# Allegro board 8880F5-0825_4.brd (continued)
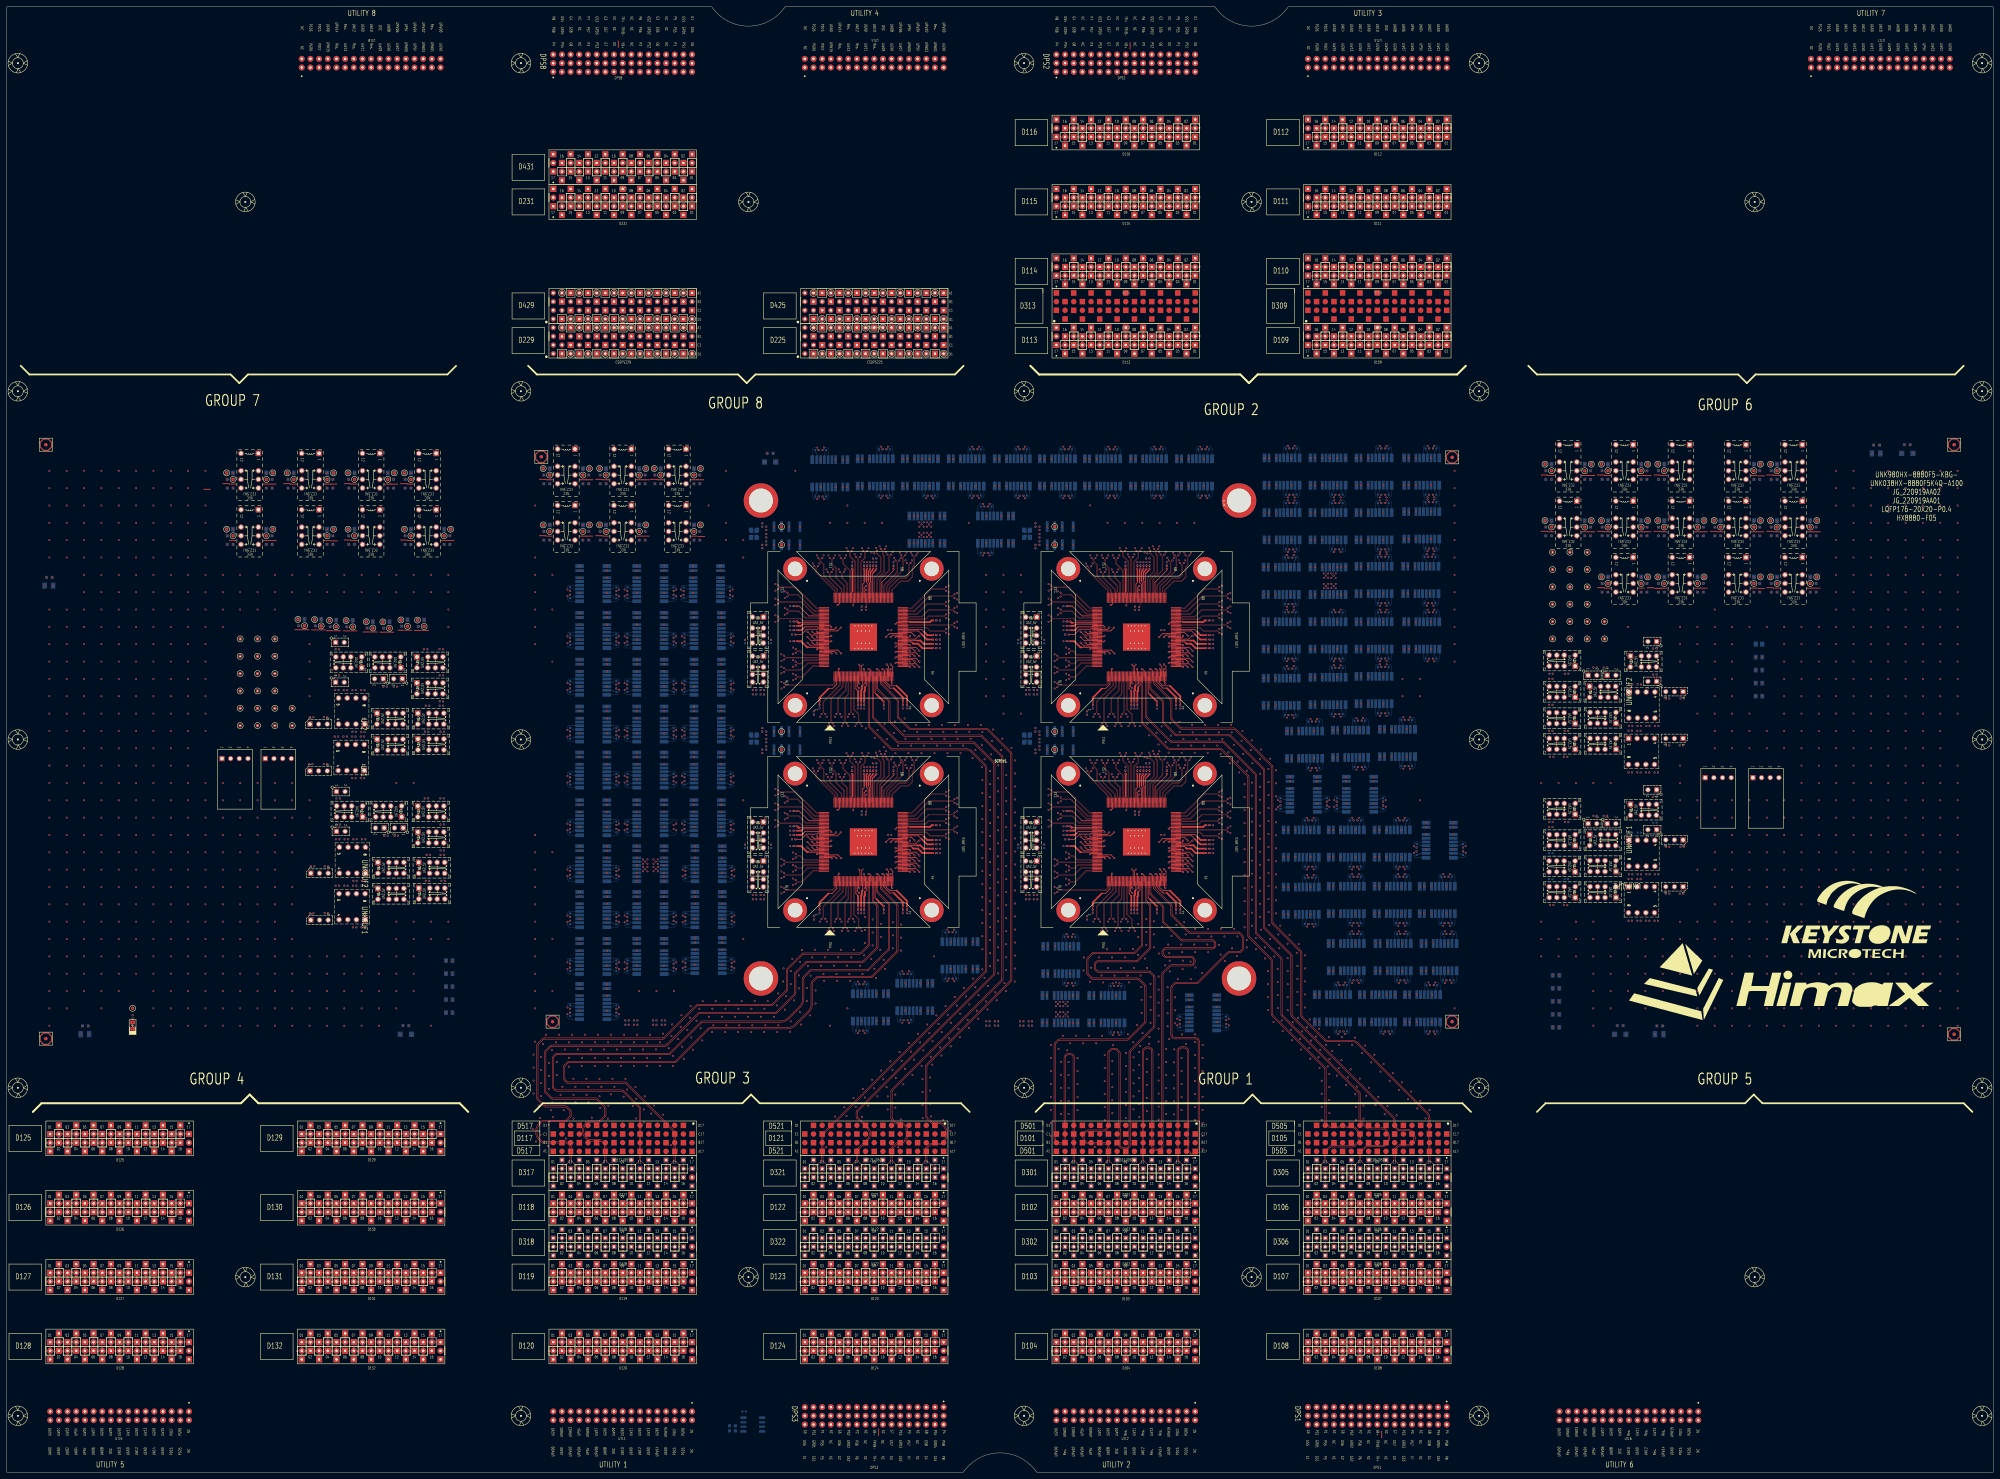
[diagram p0: board, top side]
## Routing (per net, layer and track width the routed paths; a pad name or vN(x,y) marks a point on that pad's centre or on a via; arc(x,y) is an arc through that point) (continued)
  TOP w0.119: SITE1.118 v1(247.83,253.92)
S1_PS9G_DCH030: length 9.2
  TOP w0.231: SITE1.148 237.62,247.23 237.3,246.91 234.16,246.91 232.63,245.39 v1(230.91,245.39)
S1_PS9G_DCH035: length 5.3
  TOP w0.231: v1(234.44,246.23) 235.44,245.23 SITE1.153
S1_PS9G_DCH036: length 2.2
  TOP w0.231: SITE1.154 241.23,244.83 v1(241.43,245.03)
S1_PS9G_DCH037: length 2.2
  TOP w0.231: v1(237.23,244.63) 237.43,244.43 SITE1.155
S1_PS9G_DCH038: length 3.7
  TOP w0.231: SITE1.156 236.43,244.03 v1(235.83,244.63)
S1_PS9G_DCH039: length 5.3
  TOP w0.231: v1(234.44,244.63) 235.44,243.63 SITE1.157
S1_PS9G_DCH040: length 2.2
  TOP w0.231: SITE1.158 241.23,243.23 v1(241.43,243.43)
S1_RLY_001:
  vias: v1(167.7,222.95) v1(201.23,236.67)
S1_RLY_003:
  vias: v1(290.64,288.86) v1(303.84,288.86)
S1_RLY_005:
  vias: v1(330.51,288.86) v1(343.98,288.86)
S1_RLY_007:
  vias: v1(317.05,288.86)
S1_RLY_008:
  vias: v1(263.71,288.86) v1(293.31,280.1)
S1_RLY_016:
  vias: v1(244.8,296.61) v1(250.5,288.86)
S1_RLY_018:
  vias: v1(232.25,276.97)
S1_RLY_021:
  vias: v1(167.7,264.1) v1(277.17,288.86)
S1_RLY_022:
  vias: v1(167.7,236.67) v1(201.23,250.38)
S1_RLY_023:
  vias: v1(184.47,236.67)
S1_RLY_025:
  vias: v1(167.7,250.38) v1(200.98,264.1)
S1_RLY_026:
  vias: v1(184.47,250.38)
S1_RLY_030:
  vias: v1(184.47,264.1)
S1_RLY_043:
  vias: v1(273.24,280.1)
S1_SCAN_DCH008: length 2.2
  TOP w0.231: v1(260.23,237.03) 260.43,237.23 SITE1.48
S1_SCAN_DCH012: length 2.2
  TOP w0.231: SITE1.52 260.43,238.83 v1(260.23,238.63)
S1_SCAN_DCH013: length 2.2
  TOP w0.231: SITE1.53 264.23,239.23 v1(264.43,239.03)
S1_SCAN_DCH016: length 2.2
  TOP w0.231: SITE1.56 260.43,240.43 v1(260.23,240.23)
S1_SCAN_DCH017: length 2.2
  TOP w0.231: v1(264.43,240.63) 264.23,240.83 SITE1.57
S1_SCAN_DCH018: length 3.7
  TOP w0.231: SITE1.58 265.23,241.23 v1(265.83,240.63)
S1_SCAN_DCH019: length 5.3
  TOP w0.231: v1(267.23,240.63) 266.22,241.63 SITE1.59
S1_SCAN_DCH020: length 2.2
  TOP w0.231: SITE1.60 260.43,242.03 v1(260.23,241.83)
S1_SCAN_DCH021: length 2.2
  TOP w0.231: v1(264.43,242.23) 264.23,242.43 SITE1.61
S1_SCAN_DCH024: length 2.2
  TOP w0.231: SITE1.67 260.43,244.83 v1(260.23,244.63)
S1_SCAN_DCH025: length 3.7
  TOP w0.231: v1(258.83,244.63) 259.43,245.23 SITE1.68
S1_SCAN_DCH026: length 5.3
  TOP w0.231: SITE1.69 258.44,245.63 v1(257.44,244.63)
S1_SCAN_DCH031: length 3.7
  TOP w0.231: v1(242.83,247.43) 242.23,246.83 SITE1.149
S1_SCAN_DCH032: length 5.3
  TOP w0.231: SITE1.150 243.22,246.43 v1(244.22,247.43)
S1_SCAN_DCH033: length 2.2
  TOP w0.231: SITE1.151 237.43,246.03 v1(237.23,246.23)
S1_SCAN_DCH034: length 3.7
  TOP w0.231: v1(235.83,246.23) 236.43,245.63 SITE1.152
S1_SPI_1_CSN:
  vias: v1(104.64,203.31)
S1_SPI_1_SCK:
  vias: v1(99.56,215.5)
S1_SPI_1_SDI:
  vias: v1(123.44,216.92)
S1_SPI_1_SDO:
  vias: v1(123.69,224.54)
S1_SPI_2_CSN:
  vias: v1(103.75,216.86)
S1_SPI_2_SCK:
  vias: v1(99.66,229.1)
S1_SPI_2_SDI:
  vias: v1(128.01,216.92)
S1_SPI_2_SDO:
  vias: v1(127.75,224.54)
S1_SPI_11_SDI:
  vias: v1(102.1,203.31) v1(122.44,216.92)
S1_SPI_11_SDO:
  vias: v1(97.02,215.5) v1(122.69,224.54)
S1_SPI_22_SDI:
  vias: v1(102.2,216.91) v1(127.01,216.92)
S1_SPI_22_SDO:
  vias: v1(97.12,229.1) v1(126.75,224.54)
S1_SPI_CSN: length 2.2
  TOP w0.231: SITE1.43 259.03,231.23 v1(259.23,231.03)
S1_SPI_SCK: length 2.2
  TOP w0.231: SITE1.42 258.63,235.03 v1(258.83,235.23)
S1_SPI_SDI: length 3.7
  TOP w0.231: v1(258.83,236.63) 259.43,236.03 SITE1.44
S1_SPI_SDO: length 3.7
  TOP w0.231: v1(257.63,236.63) 258.23,236.03 SITE1.41
S1_XTAL_IN: length 2.5
  TOP w0.119: SITE1.109 251.43,258.31 v1(251.63,258.51)
  vias: v1(226.85,271.67)
S1_XTAL_OUT: length 3.7
  TOP w0.231: SITE1.110 251.03,259.03 v1(251.63,259.63)
  vias: v1(226.85,276.97)
S2_1AUX+:
  vias: v1(301.73,229.11)
S2_1AUX-:
  vias: v1(298.45,229.11)
S2_1TX_100DCH001+: length 2.5
  BOTTOM w0.119: v1(388.49,259.59) UNK2K43.6
  vias: v1(416.45,299.91)
S2_1TX_100DCH001-: length 2.5
  BOTTOM w0.119: v1(388.49,262.63) UNK2K43.3
  vias: v1(417.6,299.91)
S2_1TX_100DCH002+: length 15.4
  TOP w0.086: SITE2.75 343.98,248.03 344.06,248.11 357.07,248.11 v1(357.52,247.66)
  vias: v1(416.45,286.32)
S2_1TX_100DCH002-: length 15.4
  TOP w0.086: SITE2.76 343.98,248.43 344.06,248.35 357.07,248.35 v1(357.52,248.8)
  vias: v1(417.6,286.32)
S2_1TX_100DCH003+: length 13.3
  TOP w0.086: v1(355.08,250.14) 354.62,250.59 349.94,250.59 349.05,249.71 344.06,249.71 343.98,249.63 SITE2.79
  vias: v1(416.45,284.16)
S2_1TX_100DCH003-: length 13.3
  TOP w0.086: SITE2.80 343.98,250.03 344.06,249.95 348.95,249.95 349.84,250.83 354.62,250.83 v1(355.08,251.28)
  vias: v1(417.6,284.16)
S2_1TX_100DCH004+: length 16.2
  TOP w0.086: SITE2.81 343.98,250.43 344.06,250.51 347.99,250.51 350.02,252.53 357.07,252.53 v1(357.52,252.08)
  vias: v1(416.45,270.57)
S2_1TX_100DCH004-: length 16.2
  TOP w0.086: SITE2.82 343.98,250.83 344.06,250.75 347.89,250.75 349.92,252.77 357.07,252.77 v1(357.52,253.22)
  vias: v1(417.6,270.57)
S2_1TX_100DCH005+: length 14.2
  TOP w0.086: v1(355.08,253.77) 354.62,254.22 349.53,254.22 346.61,251.31 344.06,251.31 343.98,251.23 SITE2.83
  vias: v1(402.48,251.9)
S2_1TX_100DCH005-: length 14.2
  TOP w0.086: SITE2.84 343.98,251.63 344.06,251.55 346.51,251.55 349.43,254.46 354.62,254.46 v1(355.08,254.92)
  vias: v1(403.63,251.9)
S2_1TX_100DCH006+: length 17.2
  TOP w0.086: SITE2.85 343.98,252.03 344.06,252.11 345.74,252.11 350.12,256.49 357.07,256.49 v1(357.52,256.03)
  vias: v1(402.48,238.32)
S2_1TX_100DCH006-: length 17.2
  TOP w0.086: SITE2.86 343.98,252.43 344.06,252.35 345.64,252.35 350.02,256.73 357.07,256.73 v1(357.52,257.18)
  vias: v1(403.63,238.32)
S2_1TX_100DCH007+: length 15.3
  TOP w0.086: v1(355.08,258.17) 354.62,258.62 350.67,258.62 344.96,252.91 344.06,252.91 343.98,252.83 SITE2.87
  vias: v1(375.56,283.91)
S2_1TX_100DCH007-: length 15.3
  TOP w0.086: v1(355.08,259.31) 354.62,258.86 350.57,258.86 344.86,253.15 344.06,253.15 343.98,253.23 SITE2.88
  vias: v1(376.7,283.91)
S2_2AUX+:
  vias: v1(290.31,132.08) v1(290.31,130.81) v1(300.73,229.11) v1(300.73,227.84)
S2_2AUX-:
  vias: v1(286.77,130.81) v1(287.77,132.08) v1(299.45,229.11) v1(299.45,227.84)
S2_2TX_100DCH001+: length 16.7
  TOP w0.086: v1(346.32,268.6) 345.87,268.15 345.87,265.63 345.31,265.07 345.31,262.18 343.95,260.83 341.74,260.83 339.35,258.44 339.35,257.86 339.43,257.78 SITE2.89
  vias: v1(375.56,270.32)
S2_2TX_100DCH001-: length 16.7
  TOP w0.086: SITE2.90 339.03,257.78 339.11,257.86 339.11,258.53 341.64,261.07 343.85,261.07 345.07,262.28 345.07,265.17 345.63,265.73 345.63,268.15 v1(345.18,268.6)
  vias: v1(376.7,270.32)
S2_2TX_100DCH002+: length 13.9
  TOP w0.086: SITE2.91 338.63,257.78 338.55,257.86 338.55,259 341.27,261.72 343.16,261.72 344.22,262.77 344.22,265.88 v1(344.67,266.34)
  vias: v1(402.48,268.16)
S2_2TX_100DCH002-: length 13.9
  TOP w0.086: v1(343.52,266.34) 343.98,265.88 343.98,262.87 343.07,261.96 341.17,261.96 338.31,259.1 338.31,257.86 338.23,257.78 SITE2.92
  vias: v1(403.63,268.16)
S2_2TX_100DCH003+: length 14.7
  TOP w0.086: v1(343.07,268.6) 342.61,268.15 342.61,264.3 337.75,259.44 337.75,257.86 337.83,257.78 SITE2.93
  vias: v1(402.48,254.57)
S2_2TX_100DCH003-: length 14.7
  TOP w0.086: v1(341.92,268.6) 342.37,268.15 342.37,264.4 337.51,259.54 337.51,257.86 337.43,257.78 SITE2.94
  vias: v1(403.63,254.57)
S2_2TX_100DCH004+: length 12.8
  TOP w0.086: SITE2.95 337.03,257.78 336.95,257.86 336.95,259.72 340.9,263.67 340.9,266.64 v1(341.36,267.09)
  vias: v1(402.48,283.91)
S2_2TX_100DCH004-: length 12.8
  TOP w0.086: SITE2.96 336.63,257.78 336.71,257.86 336.71,259.82 340.67,263.77 340.67,266.64 v1(340.21,267.09)
  vias: v1(403.63,283.91)
S2_2TX_100DCH005+: length 14.1
  TOP w0.086: SITE2.98 335.83,257.78 335.75,257.86 335.75,261.37 338.54,264.15 338.54,268.38 v1(338.99,268.83)
  vias: v1(402.48,270.32)
S2_2TX_100DCH005-: length 14.1
  TOP w0.086: v1(337.84,268.83) 338.3,268.38 338.3,264.25 335.51,261.47 335.51,257.86 335.43,257.78 SITE2.99
  vias: v1(403.63,270.32)
S2_2TX_100DCH006+: length 15.6
  TOP w0.086: SITE2.100 335.03,257.78 334.95,257.86 334.95,261.59 337.04,263.68 337.04,268.51 336.65,268.9 336.65,269.99 v1(337.1,270.44)
  vias: v1(389.02,283.91)
S2_2TX_100DCH006-: length 15.6
  TOP w0.086: v1(335.96,270.44) 336.41,269.99 336.41,268.8 336.8,268.41 336.8,263.78 334.71,261.69 334.71,257.86 334.63,257.78 SITE2.101
  vias: v1(390.16,283.91)
S2_2TX_100DCH007+: length 15.1
  TOP w0.086: v1(334.78,269.97) 334.78,269.33 335.98,268.13 335.98,263.78 334.15,261.95 334.15,257.86 334.23,257.78 SITE2.102
  vias: v1(389.02,270.32)
S2_2TX_100DCH007-: length 14.9
  TOP w0.086: SITE2.103 333.83,257.78 333.91,257.86 333.91,262.05 335.74,263.88 335.74,268.03 334.61,269.17 v1(333.98,269.17)
  vias: v1(390.16,270.32)
S2_3TX_100DCH002+: length 12.2
  TOP w0.086: SITE2.114 329.43,257.78 329.35,257.86 329.35,267.66 v1(329.8,268.11)
  vias: v1(389.02,286.32)
S2_3TX_100DCH002-: length 12.2
  TOP w0.086: v1(328.66,268.11) 329.11,267.66 329.11,257.86 329.03,257.78 SITE2.115
  vias: v1(390.16,286.32)
S2_3TX_100DCH003+: length 14.7
  TOP w0.086: v1(327.41,269.9) 326.96,269.45 326.96,268.41 328.55,266.82 328.55,257.86 328.63,257.78 SITE2.116
  vias: v1(416.2,268.16)
S2_3TX_100DCH003-: length 14.7
  TOP w0.086: SITE2.117 328.23,257.78 328.31,257.86 328.31,266.72 326.72,268.31 326.72,269.45 v1(326.26,269.9)
  vias: v1(417.34,268.16)
S2_3TX_100DCH004+: length 12.7
  TOP w0.086: v1(325.36,267.81) 324.91,267.36 324.91,266.21 326.95,264.17 326.95,257.86 327.03,257.78 SITE2.120
  vias: v1(416.2,254.57)
S2_3TX_100DCH004-: length 12.7
  TOP w0.086: SITE2.121 326.63,257.78 326.71,257.86 326.71,264.07 324.67,266.11 324.67,267.36 v1(324.22,267.81)
  vias: v1(417.34,254.57)
S2_3TX_100DCH005+: length 8.4
  TOP w0.086: SITE2.122 326.23,257.78 326.15,257.86 326.15,260.53 324.65,262.03 324.65,263.24 v1(325.11,263.69)
  vias: v1(375.3,267.91)
S2_3TX_100DCH005-: length 8.4
  TOP w0.086: SITE2.123 325.83,257.78 325.91,257.86 325.91,260.44 324.42,261.93 324.42,263.24 v1(323.96,263.69)
  vias: v1(376.45,267.91)
S2_3TX_100DCH006+: length 13.4
  TOP w0.086: SITE2.124 325.43,257.78 325.35,257.86 325.35,259.65 322.87,262.13 322.87,264.93 321.66,266.13 321.66,267.36 v1(322.12,267.81)
  vias: v1(375.3,254.32)
S2_3TX_100DCH006-: length 13.4
  TOP w0.086: v1(320.97,267.81) 321.43,267.36 321.43,266.04 322.63,264.83 322.63,262.03 325.11,259.55 325.11,257.86 325.03,257.78 SITE2.125
  vias: v1(376.45,254.32)
S2_3TX_100DCH007+: length 9.2
  TOP w0.086: SITE2.126 324.63,257.78 324.55,257.86 324.55,258.72 321.08,262.2 321.08,263.24 v1(321.53,263.69)
  vias: v1(375.56,299.91)
S2_3TX_100DCH007-: length 9.2
  TOP w0.086: v1(320.39,263.69) 320.84,263.24 320.84,262.1 324.31,258.63 324.31,257.86 324.23,257.78 SITE2.127
  vias: v1(376.7,299.91)
S2_4TX_100DCH001+: length 14
  TOP w0.086: SITE2.129 323.43,257.78 323.35,257.86 323.35,258.57 319.3,262.62 319.3,265.93 318.34,266.89 318.34,267.36 v1(318.79,267.81)
  vias: v1(375.56,286.32)
S2_4TX_100DCH001-: length 14
  TOP w0.086: SITE2.130 323.03,257.78 323.11,257.86 323.11,258.47 319.06,262.52 319.06,265.83 318.1,266.79 318.1,267.36 v1(317.64,267.81)
  vias: v1(376.7,286.32)
S2_4TX_100DCH002+: length 11.8
  TOP w0.086: SITE2.131 322.63,257.78 322.55,257.86 322.55,258.26 317.11,263.7 317.11,264.97 v1(317.56,265.42)
  vias: v1(402.48,299.91)
S2_4TX_100DCH002-: length 11.8
  TOP w0.086: SITE2.132 322.23,257.78 322.31,257.86 322.31,258.16 316.87,263.6 316.87,264.97 v1(316.42,265.42)
  vias: v1(403.63,299.91)
S2_4TX_100DCH003+: length 16.3
  TOP w0.086: SITE2.133 317.68,253.23 317.6,253.15 317.23,253.15 311.06,259.32 306.27,259.32 v1(305.81,259.77)
  vias: v1(402.48,286.32)
S2_4TX_100DCH003-: length 16.3
  TOP w0.086: v1(305.81,258.63) 306.27,259.08 310.96,259.08 317.13,252.91 317.6,252.91 317.68,252.83 SITE2.134
  vias: v1(403.63,286.32)
S2_4TX_100DCH004+: length 13
  TOP w0.086: v1(308.57,257.65) 309.02,257.2 311.68,257.2 316.53,252.35 317.6,252.35 317.68,252.43 SITE2.135
  vias: v1(375.3,251.9)
S2_4TX_100DCH004-: length 13
  TOP w0.086: v1(308.57,256.51) 309.02,256.96 311.58,256.96 316.43,252.11 317.6,252.11 317.68,252.03 SITE2.136
  vias: v1(376.45,251.9)
S2_4TX_100DCH005+: length 15.2
  TOP w0.086: SITE2.137 317.68,251.63 317.6,251.55 316.17,251.55 312.64,255.08 306.27,255.08 v1(305.81,255.53)
  vias: v1(375.3,238.32)
S2_4TX_100DCH005-: length 15.2
  TOP w0.086: SITE2.138 317.68,251.23 317.6,251.31 316.07,251.31 312.55,254.84 306.27,254.84 v1(305.81,254.39)
  vias: v1(376.45,238.32)
S2_4TX_100DCH006+: length 11.8
  TOP w0.086: v1(308.57,252.73) 309.02,252.28 312.03,252.28 313.96,250.35 317.6,250.35 317.68,250.43 SITE2.140
  vias: v1(416.45,251.9)
S2_4TX_100DCH006-: length 11.8
  TOP w0.086: SITE2.141 317.68,250.03 317.6,250.11 313.86,250.11 311.93,252.04 309.02,252.04 v1(308.57,251.59)
  vias: v1(417.6,251.9)
S2_4TX_100DCH007+: length 14
  TOP w0.086: SITE2.142 317.68,249.63 317.6,249.55 313.04,249.55 312.4,250.19 306.27,250.19 v1(305.81,250.64)
  vias: v1(416.45,238.32)
S2_4TX_100DCH007-: length 14
  TOP w0.086: v1(305.81,249.49) 306.27,249.95 312.3,249.95 312.94,249.31 317.6,249.31 317.68,249.23 SITE2.143
  vias: v1(417.6,238.32)
S2_AUX_100DCH002+:
  vias: v1(289.31,132.08)
S2_AUX_100DCH002-:
  vias: v1(286.77,132.08)
S2_AUXCH+: length 3.6
  TOP w0.203: SITE2.21 330.23,236.2 v2(330.6,236.57)
S2_AUXCH-: length 3.6
  TOP w0.203: SITE2.20 329.83,236.2 v2(329.46,236.57)
S2_AVDD11_RX: length 8.4
  TOP w0.231: 334.67,227.85 334.23,228.29 SITE2.31
  TOP w0.508: v1(336.77,225.75) 334.67,227.85
  vias: v1(336.77,223.71) v1(452.33,278.76) v1(452.33,276.86)
S2_AVDD11_XTAL: length 8.8
  TOP w0.231: SITE2.105 333.03,260.95 332.87,261.11 332.87,261.45
  TOP w0.381: 332.87,261.45 332.87,263.59 333.72,264.44 v1(333.72,264.54)
  vias: v1(333.72,266.58) v1(511.6,295.27) v1(511.6,293.37)
S2_AVDD18_RX: length 7.7
  TOP w0.231: SITE2.25 331.83,230.56 331.28,230.01
  TOP w0.508: 331.28,230.01 331.28,228.9 331.06,228.68 v1(331.06,225.75)
  vias: v1(331.06,223.71) v1(462.07,278.76) v1(462.07,276.86)
S2_DCH041: length 2.2
  TOP w0.231: SITE2.159 317.43,242.83 v1(317.23,243.03)
S2_DCH042: length 3.7
  TOP w0.231: v1(315.83,243.03) 316.43,242.43 SITE2.160
S2_DCH043: length 5.3
  TOP w0.231: SITE2.161 315.44,242.03 v1(314.43,243.03)
S2_DCH044: length 2.2
  TOP w0.231: v1(317.23,241.03) 317.43,241.23 SITE2.163
S2_DCH045: length 5.4
  TOP w0.231: v1(324.35,239.83) 323.35,240.83 SITE2.164
S2_DCH046: length 3.9
  TOP w0.231: v1(322.95,239.83) 322.35,240.43 SITE2.165
S2_DCH047: length 2.3
  TOP w0.231: SITE2.166 321.36,240.03 v1(321.56,239.83)
S2_DCH048:
  vias: v1(309.05,276.97)
S2_DCH049:
  vias: v1(309.05,271.67)
S2_DPS_F_001:
  vias: v1(92.04,249.81) v1(92.04,247.9) v1(287.77,130.81) v1(301.73,227.84)
S2_DPS_F_002: length 10.1
  TOP w0.231: SITE2.3 323.03,230.86 321.72,229.55 320.65,229.55
  TOP w0.508: 320.65,229.55 317.98,226.88 v1(317.98,225.75)
  vias: v1(316.32,222.9) v1(317.98,223.71) v1(462.07,295.27) v1(462.07,293.37)
S2_DPS_F_003: length 63.1
  TOP w0.231: SITE2.71 346.94,246.43 347.84,245.53 ; SITE2.17 328.63,229.5 329.28,228.85 ; SITE2.63 344.9,243.23 345.2,242.93 ; SITE2.107 332.23,260.11 331.69,260.65 331.69,261.16 ; SITE2.37 336.63,231.59 338.57,229.66 339.73,229.66 ; 312.83,248.18 313.08,248.43 SITE2.145 ; 314.63,241.63 SITE2.162
  TOP w0.381: v1(331.94,264.54) 331.69,264.28 331.69,261.16
  TOP w0.508: v1(311.44,243.41) 312.59,243.41 314.37,241.63 314.63,241.63 ; v1(351.22,241.37) 348.11,241.37 346.8,242.67 345.45,242.67 345.2,242.93 ; 347.84,245.53 349.45,243.91 v1(351.22,243.91) ; 312.83,248.18 312.58,247.93 v1(311.44,247.93) ; v1(329.28,225.75) 329.28,228.85 ; 339.73,229.66 342.36,227.02 v1(342.36,225.75)
  vias: v1(309.4,247.93) v1(309.4,243.41) v1(329.28,223.71) v1(331.54,252.61) v1(331.94,266.58) v1(342.36,223.71) v1(353.27,243.91) v1(353.27,241.37) v1(452.33,295.27) v1(452.33,293.37) v1(464.57,235.71)
S2_DPS_F_006: length 9.6
  TOP w0.231: 348.55,246.19 347.92,246.83 SITE2.72
  TOP w0.508: v1(351.22,245.18) 349.56,245.18 348.55,246.19
  vias: v1(339,246.67) v1(353.27,245.18) v1(478.58,278.76) v1(478.58,276.86)
S2_DPS_F_007: length 19
  TOP w0.231: SITE2.97 336.23,260.71 339.65,264.13 v1(339.65,264.54) ; SITE2.78 344.15,249.23 344.37,249.01
  TOP w0.508: v1(351.22,249.5) 350.8,249.5 350.31,249.01 344.37,249.01
  vias: v1(339.65,266.58) v1(353.27,249.5) v1(495.09,278.76) v1(495.09,276.86)
S2_DPS_F_009: length 8.8
  TOP w0.231: SITE2.106 332.63,260.53 332.26,260.9 332.26,261.12
  TOP w0.381: 332.26,261.12 332.26,263.82 332.83,264.39 v1(332.83,264.54)
  vias: v1(332.83,266.58) v1(333.61,267.66) v1(478.58,295.27) v1(478.58,293.37)
S2_DPS_F_010: length 8.6
  TOP w0.231: SITE2.111 330.63,260.15 331.05,260.57 331.05,261.13
  TOP w0.381: 331.05,261.13 v1(331.05,264.54)
  vias: v1(330.34,253.59) v1(331.05,266.58) v1(468.84,295.27) v1(468.84,293.37)
S2_DPS_F_011: length 17.6
  TOP w0.231: SITE2.139 314.87,250.83 312.01,253.69 v1(311.44,253.69) ; 327.64,258.01 327.43,257.79 SITE2.119
  TOP w0.508: 327.64,258.01 327.64,264.47 v1(327.57,264.54)
  vias: v1(309.4,253.69) v1(327.57,266.58) v1(485.35,278.76) v1(485.35,276.86)
S2_DPS_F_012: length 8
  TOP w0.231: 312.2,248.83 SITE2.144
  TOP w0.508: 312.2,248.83 311.81,248.83 v1(311.44,249.2)
  vias: v1(309.4,249.2) v1(468.84,278.76) v1(468.84,276.86)
S2_DPS_F_013:
  vias: v1(87.17,249.86) v1(87.17,247.96) v1(452.62,232.41) v1(452.62,224.79) v1(457.25,233.88) v1(474.87,217.23) v1(474.89,204.98) v1(474.99,218.59) v1(475.99,230.78) v1(478.43,217.17) v1(478.43,204.98) v1(478.53,230.78) v1(478.53,218.59) v1(480.97,204.98) v1(481.07,218.59) v1(482.1,241.3) v1(482.1,233.68) v1(483.51,204.98) v1(483.61,218.59) v1(489.86,212.91) v1(490.1,226.67)
S2_ELVRX_100DCH001+: length 209.5
  TOP w0.086: v1(319.69,222.06) 319.24,222.51 319.24,225.66 324.15,230.57 324.15,231.4 324.23,231.48 SITE2.6
  L03_SIGNAL w0.071: 388.62,350.52 386.21,348.11 386.21,346.5 383.95,344.24 376.91,344.24 373.54,340.87 373.54,312.03 378.41,307.17 378.41,237.64 377.52,236.75 376.44,236.75 375.97,236.28 375.97,235.47 376.05,235.39 v1(376.45,235.39)
  L28_SIGNAL w0.071: v1(319.69,222.06) 319.29,222.06 319.22,222.13 319.22,224.49 327.16,232.43 364.12,232.43 365.69,230.86 372.65,230.86 375.98,234.19 375.98,235.32 376.05,235.39 v1(376.45,235.39)
S2_ELVRX_100DCH001-: length 209.5
  TOP w0.086: SITE2.5 323.83,231.48 323.91,231.4 323.91,230.67 319,225.76 319,222.51 v1(318.55,222.06)
  L03_SIGNAL w0.071: v1(375.3,235.39) 375.71,235.39 375.78,235.47 375.78,236.37 376.36,236.95 377.44,236.95 378.21,237.72 378.21,307.08 373.34,311.95 373.34,340.95 376.83,344.44 383.86,344.44 386.01,346.58 386.01,348.05 383.54,350.52
  L28_SIGNAL w0.071: v1(318.55,222.06) 318.95,222.06 319.02,222.13 319.02,224.57 327.08,232.63 364.2,232.63 365.77,231.06 372.57,231.06 375.78,234.27 375.78,235.32 375.71,235.39 v1(375.3,235.39)
S2_ELVRX_100DCH002+: length 263.7
  TOP w0.086: v1(321.88,219.32) 321.42,219.77 321.42,226.55 324.95,230.08 324.95,231.4 325.03,231.48 SITE2.8
  L03_SIGNAL w0.071: v1(376.45,221.81) 376.05,221.81 375.98,221.73 375.98,220.6 375.42,220.05 373.55,220.05 372.68,220.91 372.68,305.08 370.18,307.58 370.18,357.65 375.21,362.68 386.12,362.68 388.76,360.03 388.76,355.46 391.16,353.06
  L28_SIGNAL w0.071: v1(376.45,221.81) 376.05,221.81 375.97,221.88 375.97,222.53 376.27,222.83 378.26,222.83 380.05,221.04 380.05,216.37 376.67,212.99 361.67,212.99 360.82,213.84 344.32,213.84 343.37,214.8 323.7,214.8 321.4,217.09 321.4,219.24 321.47,219.32 v1(321.88,219.32)
S2_ELVRX_100DCH002-: length 263.7
  TOP w0.086: v1(320.73,219.32) 321.18,219.77 321.18,226.65 324.71,230.18 324.71,231.4 324.63,231.48 SITE2.7
  L03_SIGNAL w0.071: v1(375.3,221.81) 375.71,221.81 375.78,221.73 375.78,220.68 375.34,220.25 373.63,220.25 372.88,221 372.88,305.16 370.38,307.66 370.38,357.56 375.29,362.48 386.04,362.48 388.56,359.95 388.56,355.54 386.08,353.06
  L28_SIGNAL w0.071: v1(375.3,221.81) 375.71,221.81 375.78,221.88 375.78,222.61 376.19,223.02 378.34,223.02 380.25,221.12 380.25,216.28 376.76,212.79 361.59,212.79 360.74,213.64 344.24,213.64 343.29,214.6 323.62,214.6 321.2,217.01 321.2,219.24 321.13,219.32 v1(320.73,219.32)
S2_ELVRX_100DCH003+: length 187.5
  TOP w0.086: v1(324.03,222.06) 323.58,222.51 323.58,226.78 325.75,228.95 325.75,231.4 325.83,231.48 SITE2.10
  L03_SIGNAL w0.071: 388.62,330.2 386.18,327.76 386.18,319.71 393.32,312.57 393.32,261.91 388.89,257.48 388.89,256.4 389.69,255.6 389.69,251.98 389.76,251.9 v1(390.16,251.9)
  L28_SIGNAL w0.071: v1(390.16,251.9) 389.76,251.9 389.69,251.83 389.69,250.43 385.59,246.33 381.6,246.33 378.65,243.38 378.65,232.34 375.74,229.42 365.11,229.42 363.06,231.47 343.49,231.47 340.53,228.5 326.48,228.5 323.56,225.58 323.56,222.13 323.63,222.06 v1(324.03,222.06)
S2_ELVRX_100DCH003-: length 187.5
  TOP w0.086: SITE2.9 325.43,231.48 325.51,231.4 325.51,229.05 323.34,226.88 323.34,222.51 v1(322.89,222.06)
  L03_SIGNAL w0.071: 383.54,330.2 385.98,327.76 385.98,319.63 393.13,312.48 393.13,261.99 388.69,257.56 388.69,256.32 389.49,255.52 389.49,251.98 389.42,251.9 v1(389.02,251.9)
  L28_SIGNAL w0.071: v1(389.02,251.9) 389.42,251.9 389.49,251.83 389.49,250.51 385.51,246.53 381.52,246.53 378.45,243.46 378.45,232.42 375.66,229.62 365.19,229.62 363.15,231.67 343.41,231.67 340.44,228.7 326.4,228.7 323.36,225.66 323.36,222.13 323.29,222.06 v1(322.89,222.06)
S2_ELVRX_100DCH004+: length 197.4
  TOP w0.086: v1(326.02,219.32) 325.57,219.77 325.57,226.86 326.55,227.84 326.55,231.4 326.63,231.48 SITE2.12
  L03_SIGNAL w0.071: 398.78,330.2 396.38,327.8 396.38,321.92 394.5,320.05 394.5,244.53 389.69,239.72 389.69,238.39 389.76,238.32 v1(390.16,238.32)
  L28_SIGNAL w0.071: v1(390.16,238.32) 389.76,238.32 389.69,238.39 389.69,239.66 390.06,240.03 390.82,240.03 391.46,239.39 391.46,233.42 384.64,226.6 375.06,226.6 366.76,218.3 346.84,218.3 344.46,220.68 328.12,220.68 327.1,219.66 327.1,218.2 326.81,217.91 325.69,217.91 325.55,218.05 325.55,219.24 325.62,219.32 v1(326.02,219.32)
S2_ELVRX_100DCH004-: length 198.7
  TOP w0.086: SITE2.11 326.23,231.48 326.31,231.4 326.31,227.94 325.33,226.96 325.33,219.77 v1(324.88,219.32)
  L03_SIGNAL w0.071: 393.7,330.2 396.18,327.72 396.18,322.01 394.3,320.13 394.3,244.61 389.49,239.8 389.49,238.39 389.42,238.32 v1(389.02,238.32)
  L28_SIGNAL w0.071: v1(324.88,219.32) 325.28,219.32 325.35,219.24 325.35,217.97 325.61,217.71 326.89,217.71 327.3,218.12 327.3,219.58 328.2,220.49 344.38,220.49 346.76,218.1 366.84,218.1 375.14,226.4 384.72,226.4 391.66,233.34 391.66,239.47 390.9,240.23 389.98,240.23 389.49,239.74 389.49,238.39 389.42,238.32 v1(389.02,238.32)
S2_ELVRX_100DCH005+: length 217.8
  TOP w0.086: SITE2.14 327.43,231.48 327.35,231.4 327.35,222.51 v1(327.8,222.06)
  L03_SIGNAL w0.071: v1(390.16,235.65) 389.76,235.65 389.69,235.58 389.69,234.62 388.98,233.91 386.56,233.91 385.99,234.49 385.99,253.83 384.26,255.56 384.26,270.47 386.36,272.58 386.36,310.43 376.72,320.07 376.72,336.9 379.18,339.35 386.78,339.35 388.75,337.39 388.75,335.15 391.16,332.74
  L28_SIGNAL w0.071: v1(327.8,222.06) 327.4,222.06 327.33,222.13 327.33,225.65 328.91,227.24 342.09,227.24 344.93,230.08 361.4,230.08 363.79,227.7 382.46,227.7 389.69,234.92 389.69,235.58 389.76,235.65 v1(390.16,235.65)
S2_ELVRX_100DCH005-: length 216.6
  TOP w0.086: SITE2.13 327.03,231.48 327.11,231.4 327.11,222.51 v1(326.66,222.06)
  L03_SIGNAL w0.071: v1(389.02,235.65) 389.42,235.65 389.49,235.58 389.49,234.7 388.9,234.11 386.64,234.11 386.19,234.57 386.19,253.91 384.45,255.65 384.45,270.39 386.56,272.5 386.56,310.51 376.92,320.15 376.92,336.82 379.26,339.16 386.7,339.16 388.55,337.31 388.55,335.21 386.08,332.74
  L28_SIGNAL w0.071: v1(389.02,235.65) 389.42,235.65 389.49,235.58 389.49,235 382.38,227.89 363.87,227.89 361.49,230.28 344.85,230.28 342,227.43 328.83,227.43 327.13,225.73 327.13,222.13 327.06,222.06 v1(326.66,222.06)
S2_ELVRX_100DCH006+: length 205.9
  TOP w0.086: SITE2.16 328.23,231.48 328.15,231.4 328.15,223.49 329.52,222.12 329.52,219.77 v1(329.98,219.32)
  L03_SIGNAL w0.071: v1(390.16,222.06) 389.76,222.06 389.69,222.13 389.69,223.01 399.69,233.01 399.69,257.16 419.73,277.2 419.73,317.85 416.59,320.99 416.59,327.69 419.1,330.2
  L28_SIGNAL w0.071: v1(390.16,222.06) 389.76,222.06 389.69,222.13 389.69,223.49 389.27,223.92 374.72,223.92 366.95,216.15 342.67,216.15 341.35,217.48 330.1,217.48 329.5,218.07 329.5,219.24 329.57,219.32 v1(329.98,219.32)
S2_ELVRX_100DCH006-: length 205.8
  TOP w0.086: v1(328.83,219.32) 329.28,219.77 329.28,222.02 327.91,223.39 327.91,231.4 327.83,231.48 SITE2.15
  L03_SIGNAL w0.071: v1(389.02,222.06) 389.42,222.06 389.49,222.13 389.49,223.09 399.5,233.09 399.5,257.25 419.53,277.28 419.53,317.77 416.4,320.91 416.4,327.82 414.02,330.2
  L28_SIGNAL w0.071: v1(389.02,222.06) 389.42,222.06 389.49,222.13 389.49,223.41 389.18,223.72 374.81,223.72 367.03,215.95 342.59,215.95 341.26,217.28 330.01,217.28 329.3,217.99 329.3,219.24 329.23,219.32 v1(328.83,219.32)
S2_ISP00+: length 15.9
  TOP w0.086: SITE2.73 343.98,247.23 344.06,247.31 349.31,247.31 350.29,246.33 354.62,246.33 v1(355.08,245.88)
  BOTTOM w0.119: v1(386.29,259.59) UNK2K43.7
